# Allegro board A733_PRO3_AXP318_LPDDR5_FBGA315BALL_32X1_V2_0.brd (continued)
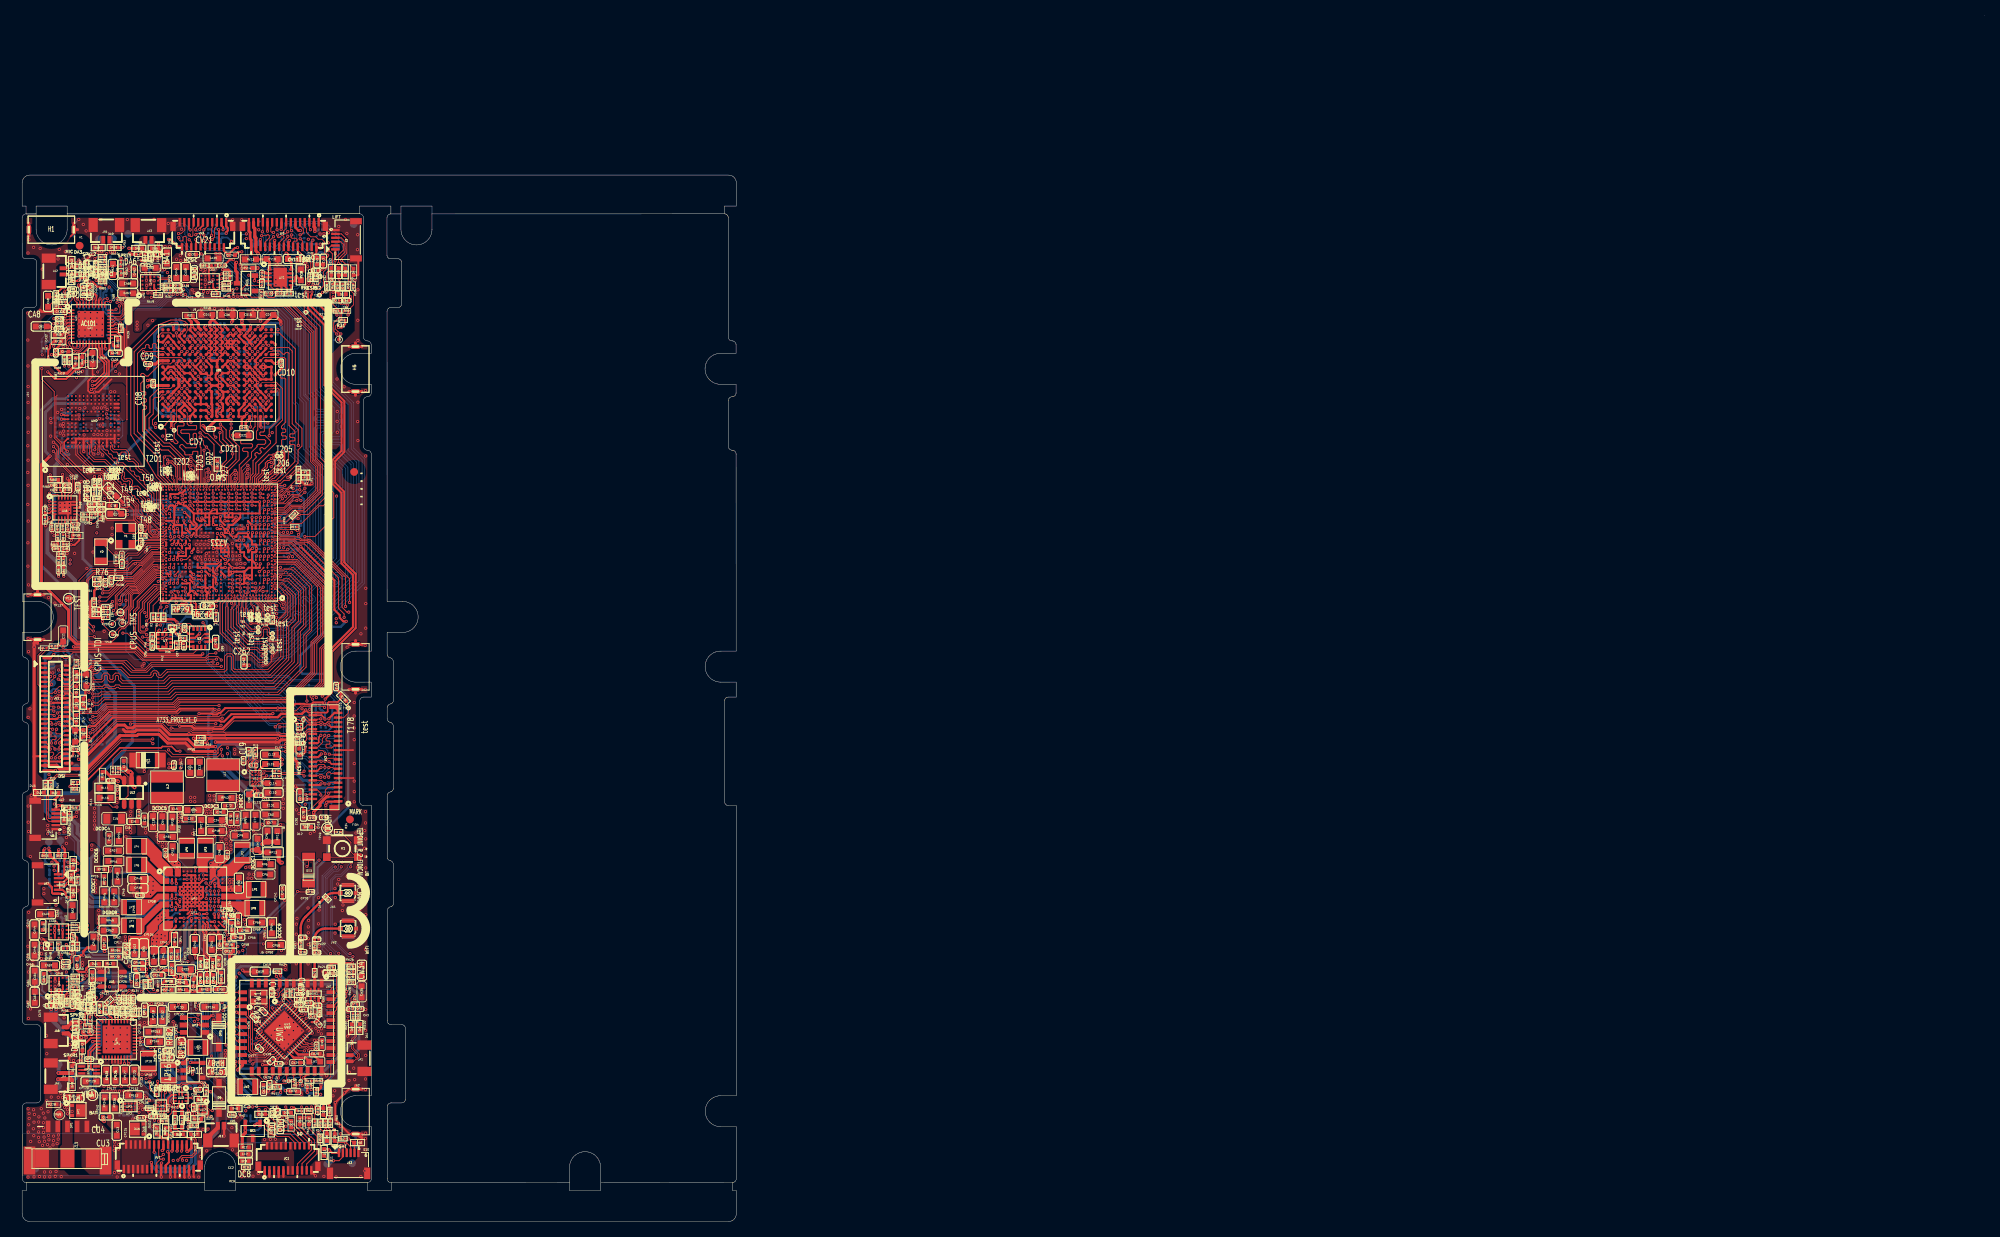
[diagram p0: board, top side]
## Copper pours and planes (outline as drawn; the poured copper is in the pictures) (continued)
GND on BOTTOM: 33.71,107.89 33.88,107.89 33.98,107.78 33.98,105.5 34.7,104.77 34.7,98.94 37.59,96.06 37.59,95.11 37.42,94.94 37.21,94.94 37.05,95.1 37.05,95.67 36.91,95.81 33.65,95.81 33.38,96.07 31.78,96.07 31.43,95.72 31.43,94.78 31.26,94.61 31.26,93.86 31.29,93.84 31.29,93.06 30.83,92.61 28.62,92.61 28.47,92.76 28.47,93.1 29.05,93.69 29.05,99.16 30.2,99.16 33.71,102.66
GND on BOTTOM: 9.1,61.75 10.52,61.75 10.52,61.36 8.42,59.27 6.47,59.27 6.38,59.36 6.38,60.32 6.71,60.65 8.34,60.65 8.76,61.08 8.76,61.41
GND on BOTTOM: 0.55,5.51 0.54,14.79 1.89,14.79 2.6,15.09 2.89,15.8 2.89,24.9 2.6,25.61 1.88,25.91 0.54,25.91 0.54,40.03 0.53,40.05 0.54,40.08 0.56,40.11 1.1,40.41 1.34,40.98 1.33,45.99 1.13,46.67 0.53,47.06 0.53,54.92 1.11,55.28 1.33,55.91 1.33,63.91 1.1,64.55 0.53,64.9 0.53,66.25 0.54,66.27 0.55,66.28 1.09,66.58 1.33,67.15 1.33,72.16 1.12,72.84 0.53,73.23 0.53,75.49 2.02,75.49 4.53,78 2.02,80.51 0.52,80.51 0.51,117.4 0.52,117.42 1.5,117.42 2.11,117.7 2.38,118.31 2.38,123.83 2.1,124.44 1.49,124.72 0.51,124.72 0.51,129.49 1.29,129.49 1.29,128 3.8,125.49 6.31,128 6.31,129.51 43.49,129.51 43.49,127.26 43.49,125.73 43.5,114.11 43.79,113.4 44.5,113.11 44.5,112.52 43.01,112.52 40.5,110.01 43.01,107.51 44.5,107.51 44.5,106.92 43.79,106.62 43.5,105.91 43.5,100.01 43.79,99.3 44.5,99.01 44.51,74.1 43.02,74.1 40.51,71.59 43.02,69.09 44.51,69.09 44.51,68.17 44.02,68.17 43.31,67.88 43.01,67.16 43.02,54.16 43.31,53.45 44.02,53.16 44.52,53.16 44.52,49.27 44.52,48.81 44.52,46.87 44.52,46.69 44.52,46.13 44.52,36.77 44.52,35.06 44.52,32.53 44.52,30.5 44.53,16.74 43,16.74 40.52,14.22 43.02,11.72 44.53,11.72 44.53,5.59 44.43,5.54 28.05,5.56 28.05,7.07 25.81,9.5 23.1,7.61 23.03,7.19 23.03,5.51 ; 4 cut-outs
GND on L2GND: 0.55,5.51 0.54,14.79 1.89,14.79 2.6,15.09 2.89,15.8 2.89,24.9 2.6,25.61 1.88,25.91 0.54,25.91 0.54,40.03 0.53,40.05 0.54,40.08 0.56,40.11 1.1,40.41 1.34,40.98 1.33,45.99 1.13,46.67 0.53,47.06 0.53,54.92 1.11,55.28 1.33,55.91 1.33,63.91 1.1,64.55 0.53,64.9 0.53,66.25 0.54,66.27 0.55,66.28 1.09,66.58 1.33,67.15 1.33,72.16 1.12,72.84 0.53,73.23 0.53,75.49 2.02,75.49 4.53,78 2.02,80.51 0.52,80.51 0.51,117.4 0.52,117.42 1.5,117.42 2.11,117.7 2.38,118.31 2.38,123.83 2.1,124.44 1.49,124.72 0.51,124.72 0.51,129.49 1.29,129.49 1.29,128 3.8,125.49 6.31,128 6.31,129.51 43.49,129.51 43.5,114.11 43.79,113.4 44.5,113.11 44.5,112.52 43.01,112.52 40.5,110.01 43.01,107.51 44.5,107.51 44.5,106.92 43.79,106.62 43.5,105.91 43.5,100.01 43.79,99.3 44.5,99.01 44.51,74.1 43.02,74.1 40.51,71.59 43.02,69.09 44.51,69.09 44.51,68.17 44.02,68.17 43.31,67.88 43.01,67.16 43.02,54.16 43.31,53.45 44.02,53.16 44.52,53.16 44.52,46.04 44.52,40.03 44.53,16.74 43,16.74 40.52,14.22 43.02,11.72 44.53,11.72 44.53,5.73 44.34,5.54 28.05,5.56 28.05,7.07 25.65,9.52 23.05,7.3 23.03,7.28 23.03,7.01 23.03,5.51 ; 8 cut-outs
GND on L3: 19.74,28.65 22.78,28.65 23.07,28.36 23.07,27.14 22.84,26.9 21.34,26.9 20.9,26.46 19.8,26.46 19.42,26.84 19.42,28.32
GND on L3: 29.6,29.72 31.41,29.72 31.77,29.37 31.77,26.87 31.06,26.16 28.57,26.16 28.23,26.5 28.23,28.35
GND on L3: 15.65,122.81 17.4,122.81 18.7,121.5 18.7,119.12 19.82,118.01 25.87,118.01 26,117.87 26,117.56 25.79,117.34 23.39,117.34 22.37,116.32 22.37,114.26 21.57,113.46 15.21,113.46 13.87,114.8 13.87,116.84 14.53,117.51 14.53,120.81 15.4,121.68 15.4,122.56
GND on L3: 20.02,53.04 20.67,53.04 21.69,52.02 24,52.02 24.47,51.55 24.47,47 24.14,46.67 20.9,46.67 19.92,47.65 19.92,52.93
GND on L3: 25.71,51.54 31.1,51.54 31.29,51.35 31.29,50.6 28.6,47.9 28.6,45.53 28.84,45.29 29.98,45.29 30.16,45.11 30.16,44.3 27.68,41.82 27.16,41.82 26.91,42.07 23.63,42.07 23.39,41.83 23.39,41.35 23.67,41.07 23.67,39.12 23.17,38.62 16.02,38.62 15.25,39.39 15.25,40.01 13.96,41.3 13.96,44.07 14.66,44.77 18.98,44.77 19.92,43.83 22.98,43.83 23.15,43.99 23.15,44.22 23.3,44.37 25.4,44.37 26.51,45.49 26.51,47.47 25.51,48.47 25.51,51.33 ; 2 cut-outs
GND on L3: 0.55,5.51 0.54,14.79 1.89,14.79 2.6,15.09 2.89,15.8 2.89,24.9 2.6,25.61 1.88,25.91 0.54,25.91 0.54,40.03 0.53,40.05 0.54,40.08 0.56,40.11 1.1,40.41 1.34,40.98 1.33,45.99 1.13,46.67 0.53,47.06 0.53,54.92 1.11,55.28 1.33,55.91 1.33,63.91 1.1,64.55 0.53,64.9 0.53,66.25 0.54,66.27 0.55,66.28 1.09,66.58 1.33,67.15 1.33,72.16 1.12,72.84 0.53,73.23 0.53,75.49 2.02,75.49 4.53,78 2.02,80.51 0.52,80.51 0.51,117.4 0.52,117.42 1.5,117.42 2.11,117.7 2.38,118.31 2.38,123.83 2.1,124.44 1.49,124.72 0.51,124.72 0.51,129.49 1.29,129.49 1.29,128 1.45,127.14 1.88,126.38 4.66,125.65 6.31,128 6.31,129.51 43.49,129.51 43.49,124.74 43.5,114.11 43.79,113.4 44.5,113.11 44.5,112.52 43.01,112.52 40.5,110.01 43.01,107.51 44.5,107.51 44.5,106.92 43.79,106.62 43.5,105.91 43.5,100.01 43.79,99.3 44.5,99.01 44.51,77.91 44.51,74.1 43.02,74.1 40.51,71.59 43.02,69.09 44.51,69.09 44.51,68.17 44.02,68.17 43.31,67.88 43.01,67.16 43.02,54.16 43.31,53.45 44.02,53.16 44.52,53.16 44.52,42.19 44.52,34.73 44.52,30.25 44.52,29.45 44.52,28.73 44.53,23.42 44.53,17.87 44.53,16.74 43,16.74 40.52,14.22 43.02,11.72 44.53,11.72 44.53,5.59 44.43,5.54 28.05,5.56 28.05,7.07 25.81,9.5 23.1,7.61 23.03,7.19 23.03,5.51 ; 8 cut-outs
GND on L3: 15.92,51.05 18.97,51.05 19.31,50.71 19.31,47.55 22.6,44.26 22.6,43.97 22.93,43.64 22.93,43.1 22.59,42.76 21.26,42.76 21.01,43 21.01,43.31 21.56,43.85 21.56,44.22 21.37,44.41 19.91,44.41 16.71,47.61 16.71,49.49 16.28,49.92 15.8,49.92 15.71,50.01 15.71,50.84
GND on L3: 26.32,24.73 27.57,24.73 27.77,24.53 27.77,22.37 25.98,20.57 25.98,19.59 26.29,19.28 29.29,19.28 31.06,17.51 31.06,15.15 29.84,13.93 23.13,13.93 21.87,15.19 21.87,17.6 24.77,20.49 24.77,23.18
GND on L4: 6.49,118.47 10.22,118.47 10.74,117.95 10.74,114.26 10.04,113.56 7.03,113.56 6.33,114.26 6.33,118.31
GND on L4: 29.78,115.87 29.51,116.13 27.82,116.13 27.46,116.49 27.46,117.33 28.23,118.1 34.41,118.1 37.05,115.46 37.05,97.5 35.38,95.83 34.02,95.83 33.98,95.87 33.98,96.08 34.13,96.23 35.08,96.23 36.68,97.83 36.68,112.69 33.5,115.87
GND on L4: 5.14,105.42 5.6,105.42 5.71,105.31 5.71,100.02 5.52,99.83 4.9,99.83 4.41,100.33 3.67,100.33 3.45,100.54 3.45,103.74
GND on L4: 17.86,92.29 16.26,93.9 15.75,93.9 15.69,93.84 15.52,93.84 11.73,97.63 11.73,110.41 11.75,110.43 11.75,112.4 12.5,113.15 12.5,114.59 14.9,116.99 21.07,116.99 22.15,115.91 22.15,115.58 22.7,115.03 22.7,112.87 22.98,112.59 22.98,112.12 22.83,111.97 22.56,111.97 22.45,112.08 22.45,112.34 22.45,112.35 22.45,112.42 21.79,113.08 21.79,114.13 21.58,114.34 20.54,114.34 20.36,114.53 20.36,114.88 20.13,115.11 16.48,115.11 12.6,111.23 12.6,107.13 12.59,107.11 12.59,98.97 18.6,92.95 19.98,92.95 20.13,92.81 20.13,92.46 19.96,92.29 ; 1 cut-out
GND on L4: 18.52,18.2 17.31,19.41 13.52,19.41 13.5,19.38 9.89,19.38 8.01,21.26 8.01,25.39 7.13,26.26 7.13,26.27 6.24,27.16 6.24,31.82 5.83,32.24 5.83,34.93 5.51,35.24 5.51,36.32 6.28,37.1 6.28,42.16 6.12,42.33 5.77,42.33 4.93,43.17 4.93,43.47 3.39,45.02 3.39,46.52 4.63,47.76 4.63,48.51 5.33,49.21 5.33,49.77 5.81,50.25 5.81,52.08 7.1,53.37 7.1,58.62 9.62,61.14 9.62,71.84 6.52,74.94 6.52,85.51 6.26,85.77 5.81,85.77 4.85,86.74 4.85,100 4.45,100.39 4.45,100.94 4.96,101.45 4.96,105.24 9.13,109.41 9.6,109.41 9.8,109.21 9.8,106.87 8.27,105.34 8.28,105.33 8.28,98 9.81,96.46 9.81,89.78 9.19,89.15 9.19,82.27 9.41,82.49 10.57,82.49 10.76,82.67 10.76,83.18 11.11,83.53 12.15,83.53 13.2,84.58 13.2,85.07 13.72,85.59 14.77,85.59 14.91,85.72 14.96,85.72 16.16,86.93 17.47,86.93 17.7,86.7 17.7,85.91 13.33,81.55 12.44,81.55 11.07,80.17 11.07,77.98 11.35,77.7 11.35,76.08 12.93,74.51 12.93,58.95 10.92,56.95 10.92,49.67 10.12,48.87 10.12,46.42 10.05,46.35 10.05,38.09 10.56,37.57 10.56,36.67 10.11,36.22 10.11,33.42 10.69,32.85 10.69,30.83 10.17,30.31 10.17,29.07 10.31,28.92 10.31,28.55 11.52,27.35 12.08,27.35 12.37,27.64 12.37,28.43 12.52,28.59 20.88,28.59 21.16,28.87 21.21,28.83 21.31,28.83 21.2,28.94 21.2,30.01 21.93,30.74 22.51,30.74 23.93,32.15 24.43,32.15 24.43,35.1 24.75,35.42 24.75,35.67 25.12,36.04 26.57,36.04 27.09,36.56 27.09,40.77 25.9,41.96 23.58,41.96 23.43,41.81 23.43,41.57 23.85,41.15 23.85,40.58 23.72,40.45 21.23,40.45 20.07,41.6 20.07,44.16 22.91,46.99 22.91,52.02 23.41,52.53 27.85,52.53 28.19,52.18 28.19,47.98 25.83,45.62 25.83,42.91 29.23,39.51 29.23,34.66 25.76,31.19 25.76,30.64 26.04,30.36 26.04,28.64 26.08,28.61 26.08,26.39 25.75,26.06 25.75,24.58 27.03,23.29 27.03,23.29 27.15,23.18 27.15,22.16 27.14,22.15 27.14,21 25.16,19.03 25.16,18.44 24.92,18.2 ; 6 cut-outs
GND on L4: 17.34,122.35 18.19,122.35 18.47,122.07 18.47,121.1 18.62,120.95 19.08,120.95 20,121.87 21.7,121.87 22.91,123.08 24.59,123.08 24.91,122.76 24.91,121.96 25.16,121.7 25.16,120.37 24.71,119.92 19.45,119.92 19.03,119.49 17.52,119.49 16.89,120.12 15.08,120.12 14.88,120.32 14.88,122.97 14.97,123.06 16.63,123.06
GND on L4: 0.55,5.51 0.54,14.79 1.89,14.79 2.6,15.09 2.89,15.8 2.89,24.9 2.6,25.61 1.88,25.91 0.54,25.91 0.54,40.03 0.53,40.05 0.54,40.08 0.56,40.11 1.1,40.41 1.34,40.98 1.33,45.99 1.13,46.67 0.53,47.06 0.53,54.92 1.11,55.28 1.33,55.91 1.33,63.91 1.1,64.55 0.53,64.9 0.53,66.25 0.54,66.27 0.55,66.28 1.09,66.58 1.33,67.15 1.33,72.16 1.12,72.84 0.53,73.23 0.53,75.49 2.02,75.49 4.53,78 2.02,80.51 0.52,80.51 0.51,117.4 0.52,117.42 1.5,117.42 2.11,117.7 2.38,118.31 2.38,123.83 2.1,124.44 1.49,124.72 0.51,124.72 0.51,129.49 1.29,129.49 1.29,128 3.8,125.49 6.31,128 6.31,129.51 43.49,129.51 43.5,114.11 43.79,113.4 44.5,113.11 44.5,112.52 43.01,112.52 40.5,110.01 43.01,107.51 44.5,107.51 44.5,106.92 43.79,106.62 43.5,105.91 43.5,100.01 43.79,99.3 44.5,99.01 44.51,74.1 43.02,74.1 40.51,71.59 43.02,69.09 44.51,69.09 44.51,68.17 44.02,68.17 43.31,67.88 43.01,67.16 43.02,54.16 43.31,53.45 44.02,53.16 44.52,53.16 44.53,17.5 44.53,16.74 43,16.74 40.52,14.22 43.02,11.72 44.53,11.72 44.53,5.59 44.43,5.54 28.05,5.56 28.05,7.07 25.81,9.5 23.1,7.61 23.03,7.19 23.03,5.51 ; 1 cut-out
GND on L4: 35.29,30.3 37.27,30.3 39.01,28.56 39.01,28.23 38.52,27.74 38.52,25.26 38.82,24.96 38.82,22.56 36.46,20.19 35.49,20.19 31.86,23.83 31.86,24.27 35.16,27.57 35.16,30.18
GND on L5GND: 0.55,5.51 0.55,14.79 1.89,14.79 2.6,15.09 2.89,15.8 2.89,24.9 2.6,25.61 1.88,25.91 0.54,25.91 0.54,40.03 0.54,40.05 0.54,40.08 0.56,40.11 1.1,40.41 1.34,40.98 1.34,45.99 1.13,46.67 0.54,47.06 0.53,54.92 1.11,55.28 1.33,55.91 1.33,63.91 1.1,64.55 0.53,64.9 0.53,66.25 0.54,66.27 0.55,66.28 1.09,66.58 1.33,67.15 1.33,72.16 1.12,72.84 0.53,73.23 0.53,75.49 2.02,75.49 4.53,78 2.02,80.51 0.52,80.51 0.51,117.4 0.52,117.42 1.5,117.42 2.11,117.7 2.38,118.31 2.38,123.83 2.1,124.44 1.49,124.72 0.51,124.72 0.51,129.49 1.29,129.49 1.29,128 3.8,125.49 6.31,128 6.31,129.5 43.49,129.5 43.49,128 43.5,114.11 43.79,113.4 44.5,113.11 44.5,112.52 43.01,112.52 40.5,110.01 43.01,107.5 44.5,107.5 44.5,106.92 43.79,106.62 43.5,105.91 43.5,100.01 43.79,99.3 44.5,99.01 44.51,74.1 43.02,74.1 40.51,71.59 43.02,69.08 44.51,69.08 44.51,68.17 44.02,68.17 43.31,67.88 43.01,67.16 43.01,63.91 43.01,54.16 43.31,53.45 44.02,53.16 44.52,53.16 44.52,22.47 44.52,22.36 44.53,16.74 43,16.74 40.52,14.22 43.02,11.72 44.53,11.72 44.53,5.59 44.43,5.54 28.05,5.56 28.05,7.07 25.81,9.5 23.1,7.61 23.03,7.19 23.03,5.51 ; 1 cut-out
VBAT on TOP: 7.64,7.1 8.67,6.07 11.52,6.07 11.58,6.13 11.58,11.32 9.8,13.1 9.82,13.13 9.82,16.53 8.77,17.59 8.77,17.59 8.67,17.69 8.67,19.13 8.51,19.29 7.72,19.29 7.17,19.29 7.12,19.34 7.12,19.73 7.21,19.82 7.65,19.82 7.71,19.88 8.23,19.88 8.23,20.41 7.08,20.41 6.75,20.08 6.75,18.87 7.04,18.58 7.04,16.85 6.91,16.71 6.91,13.25 6.71,13.05 6.71,10.33 7.64,9.4
VBUS-AXP318 on TOP (solid shape): 19.33,38.8 19.45,38.68 19.45,38.02 19.45,38 19.44,37.98 18.83,37.38 18.82,37.36 18.82,37.34 18.82,36.37 18.81,36.35 18.8,36.33 17.97,35.5 17.93,35.48 17.75,35.48 17.73,35.48 17.71,35.47 17.55,35.31 17.54,35.29 17.53,35.27 17.53,34.69 17.53,34.67 17.52,34.65 17.31,34.45 17.3,34.44 17.28,34.43 16.67,34.43 16.57,34.54 16.57,35.41 16.58,35.44 16.58,36.57 16.59,36.59 16.6,36.6 17.61,37.61 17.62,37.63 17.62,37.65 17.62,38.12 17.63,38.14 17.64,38.15 18.27,38.78 18.29,38.8 18.31,38.8
VBUS-AXP318 on TOP: 17.28,20.12 17.36,20.03 17.36,18.9 16.82,18.36 16.44,18.36 16.07,18.73 14.82,18.73 14.62,18.93 12.28,18.93 12.27,18.92 11.73,18.92 11.71,18.94 11.71,20.06 11.44,20.33 11.44,20.74 11.48,20.79 12.85,20.79 12.85,20.21 12.94,20.12
VBUS-AXP318 on L5GND: 17.02,16.11 15.55,17.59 14.62,17.59 12.38,19.82 12.38,26.39 12.96,26.96 14.32,26.96 14.99,27.64 14.99,30.14 14.55,30.59 14.55,31.16 14.34,31.37 14.34,34.02 14.85,34.53 14.85,37.22 15.04,37.4 20.35,37.4 22.99,34.76 22.99,30.13 21.34,28.47 21.34,27.36 19.95,25.97 19.95,22.97 20.69,22.23 21.38,22.23 22.81,20.8 22.81,20.78 23.52,20.06 23.52,18.57 21.07,16.11
VBUS-AXP515 on TOP: 16.43,26.28 17.79,26.28 17.92,26.41 18.32,26.41 18.61,26.7 18.61,27.81 18.94,28.14 19.74,28.14 19.82,28.07 19.82,26.57 18.31,25.06 15.82,25.06 15.55,24.8 14.54,24.8 14.51,24.83 14.51,24.97 14.55,25.01 15.17,25.01 15.18,25.02 15.18,25.16 15.15,25.2 14.54,25.2 14.5,25.23 14.5,25.83 14.69,26.02 15.05,26.02 15.43,26.4 15.43,27.16 15.47,27.2 16.16,27.2 16.3,27.05 16.3,26.4
VBUS-AXP515 on TOP: 14.27,15.14 14.21,15.08 13.93,15.08 13.86,15.01 13.86,14.72 13.83,14.68 13.61,14.68 13.57,14.72 13.57,15.29 13.23,15.63 10.26,15.63 10.19,15.7 10.19,16.84 10.41,17.06 14.09,17.06 14.27,16.87
VBUS-AXP515 on BOTTOM: 13.95,16.53 9.89,16.53 9.66,16.76 9.66,21.47 9.67,21.48 9.67,21.89 10.38,22.6 10.38,25.25 11.93,26.8 16.41,26.8 16.91,26.29 16.91,24.54 16.51,24.14 15.24,24.14 15.05,23.95 15.05,21.48 15.49,21.04 15.49,20.01 14.7,19.22 14.7,18.74 14.96,18.48 14.96,17.23 14.61,16.88 14.29,16.88 ; 1 cut-out
VBUS-USB on TOP: 16.3,6.19 12.98,6.19 12.81,6.36 12.81,11.56 12.49,11.87 11.56,11.87 10.91,12.52 10.91,13.69 10.76,13.84 10.05,13.84 9.98,13.91 9.98,14.91 10.22,15.15 12.19,15.15 12.44,14.89 12.44,14.29 12.75,13.98 13.31,13.98 13.59,14.25 13.59,14.49 13.64,14.54 13.92,14.54 13.98,14.61 13.98,14.88 14.04,14.95 14.22,14.95 14.28,14.88 14.28,14.02 14.47,13.83 15.07,13.83 15.16,13.74 15.16,11.1 15.37,10.89 16.22,10.89 16.63,10.48 16.63,7.83 16.3,7.5
VCC09-VDD2L on TOP: 26.33,117.98 27.35,117.98 27.65,117.67 27.65,116.61 27.52,116.49 26.57,116.49 26.26,116.8 26.26,117.91
VCC09-VDD2L on BOTTOM: 27.62,118.42 27.62,117.68 27.4,117.45 27.38,117.45 27.25,117.32 26.08,117.32 25.95,117.45 19.12,117.45 16.82,115.16 16.82,104.83 18.8,102.85 18.8,102.36 18.94,102.22 19.58,102.22 20.12,102.76 22.46,102.76 23.26,103.57 23.26,104.47 23.42,104.63 24.15,104.63 24.52,104.25 24.52,102.56 23.97,102 20.86,102 20.07,101.21 18.68,101.21 18.28,101.61 16.86,101.61 15.39,103.07 15.39,110.19 14.88,110.7 14.88,112.4 15.39,112.9 15.39,116.98 17.39,118.98 27.07,118.98
VCC09-VDD2L on L3: 27.35,116.06 27.34,116.06 26.87,116.53 23.29,116.53 22.53,115.77 22.53,114.87 22.52,114.85 22.52,114.37 22.67,114.22 27.74,114.22 27.81,114.28 27.81,114.8 27.36,115.25 27.36,115.73 27.44,115.81 27.44,115.97
VCC-5V on TOP: 11.55,33.54 12.46,33.54 12.95,33.05 12.95,32.94 13.56,32.33 13.56,32 13.41,31.85 13.41,31.67 12.45,30.72 12.36,30.72 12.2,30.56 12.2,29.72 10.45,27.96 10.45,27.72 10.31,27.58 9.8,27.58 9.74,27.65 9.74,28.14 10.94,29.35 11.1,29.35 11.49,29.74 11.49,33.48
VCC-5V on TOP: 24.48,28.11 25.42,28.11 25.62,27.91 25.62,27.06 25.73,26.95 25.73,25.58 25.57,25.42 24.59,25.42 24.41,25.6 24.41,28.05
VCC-5V on TOP: 18.09,24.94 17.09,24.94 16.85,24.7 16.85,23.66 16.99,23.52 16.99,23.52 17.22,23.52 17.61,23.92 18.09,23.92 18.19,24.03 18.19,24.84
VCC-5V on L3: 11.98,31.24 12.12,31.1 12.12,30.29 11.2,29.37 11.2,27.32 11.36,27.17 15.04,27.17 15.57,27.7 18.34,27.7 19.71,26.33 21.51,26.33 21.82,26.02 21.82,25.73 22.05,25.49 22.28,25.49 23.36,26.58 25.09,26.58 25.25,26.41 25.25,25.11 25.25,25.1 25.25,24.43 23.4,22.59 18.96,22.59 18.04,23.51 17.09,23.51 15.92,24.67 15.25,24.67 14.07,25.85 10.58,25.85 8.82,27.61 8.82,29.6 10.46,31.24
VCC-5V-USB on TOP: 9.66,33.54 11.15,33.54 11.2,33.49 11.2,32.36 10.77,31.93 8.78,31.93 8.75,31.97 8.75,32.44 8.81,32.5 9.15,32.5 9.62,32.97 9.62,33.5
VCC-5V-USB on TOP: 3.86,51.28 5.3,51.28 5.8,50.79 5.8,50.04 5.67,49.91 5.15,49.91 5.07,49.99 5.07,50.7 4.78,50.99 3.83,50.99 3.79,51.03 3.79,51.22
VCC-5V-USB on BOTTOM: 4.77,34.6 5.39,34.6 5.93,34.06 8.8,34.06 9.89,32.97 10.37,32.97 10.45,32.88 10.45,32.55 10.3,32.39 8.2,32.39 7.97,32.16 6.62,32.16 5.19,33.59 4.72,33.59 4.63,33.68 4.63,34.46
VCC-5V-USB on L3: 4.24,51.14 5.46,51.14 6.36,50.24 6.36,46.94 6.45,46.85 6.45,39.27 6.36,39.18 6.36,36.74 5.43,35.81 5.43,33.77 5.34,33.68 4.73,33.68 4.63,33.78 4.63,36.6 4.92,36.89 4.92,37.9 5.14,38.11 5.14,41.03 4.99,41.19 4.99,46.57 4.07,47.49 4.07,48.16 3.69,48.54 3.69,50.6
VCC-CARD-3V3 on TOP: 34.4,10.22 34.4,9.17 34.21,8.98 30.45,8.98 30.14,9.28 30.14,11.07 29.9,11.31 29.4,11.31 28.95,10.87 28.95,6.78 29.05,6.68 29.73,6.68 29.85,6.81 29.85,7.81 29.95,7.91 33.64,7.91 34.11,7.44 34.11,6.09 34.19,6.01 35.03,6.01 35.06,6.04 35.06,9.02 34.9,9.18 34.9,10.1 34.73,10.27 34.45,10.27
VCC-IO on BOTTOM: 23.45,83.6 24.25,83.6 24.51,83.35 24.77,83.35 24.81,83.31 24.81,82.47 24.75,82.41 23.9,82.41 23.76,82.55 23.76,82.8 23.4,83.16 23.4,83.55
VCC-IO on L4: 23.98,83.6 24.63,83.6 24.79,83.45 24.79,80.71 24.38,80.31 24.38,76.19 23.68,75.49 23.68,74.51 23.66,74.49 23.66,74.24 23.05,73.62 23.05,62.15 23.26,61.94 24,61.94 24.12,61.81 24.12,60.97 24.01,60.86 23.25,60.86 23.24,60.87 22.58,60.87 22.37,61.07 22.37,73.93 23.18,74.74 23.18,75.84 23.78,76.44 23.78,80.49 24.32,81.02 24.32,82.24 23.88,82.68 23.88,83.5
VCC-UFS on TOP: 6.36,104.18 6.86,104.18 7,104.32 7.46,104.32 7.58,104.2 7.58,103.43 7.47,103.32 6.37,103.32 6.28,103.41 6.28,104.1
VCC-UFS on TOP: 7.74,103.34 10.54,103.34 10.61,103.4 10.61,103.67 10.46,103.81 7.76,103.81 7.67,103.72 7.67,103.4
VCC-UFS on TOP: 11.77,104.11 12.29,104.11 12.69,104.5 12.69,105.7 12.48,105.9 12.48,106.74 11.15,106.74 11.01,106.88 11.01,107.54 11.6,108.13 12.18,108.13 12.18,108.13 12.9,108.13 13.3,107.73 13.3,107.72 13.33,107.69 13.33,106.71 13.35,106.69 13.35,103.51 13.12,103.28 11.81,103.28 11.69,103.4 11.69,104.03
VCC-UFS on BOTTOM: 9.32,104.14 10,104.14 10.23,103.91 10.23,103.48 10.09,103.34 7.23,103.34 7.03,103.55 7.03,104.13 7.23,104.33 8.13,104.33 8.41,104.61 8.41,105.22 8.4,105.23 8.4,106.13 8.96,106.68 9.55,106.68 9.84,106.97 9.84,107.89 10.15,108.2 11.85,108.2 12.31,107.74 12.31,106.83 11.98,106.5 10.54,106.5 9.9,105.87 9.37,105.87 9.37,105.78 9,105.41 8.94,105.35 8.94,104.78 9.32,104.4
VCC-VDDQ on TOP: 14.45,114.9 14.45,117.44 14.9,117.89 21.22,117.89 21.57,117.54 21.57,116.63 21.48,116.54 20.88,116.54 20.8,116.62 16.29,116.62 15.46,115.79 15.46,115.1 15.15,114.79 14.56,114.79
VCC-VDDQ on TOP: 8.87,48.82 9.27,48.82 10.08,48 10.08,45.07 10.29,44.86 10.93,44.86 11.01,44.78 11.01,44.36 10.92,44.27 9.3,44.27 8.76,44.81 8.76,48.71
VCC-VDDQ on BOTTOM: 29.56,117.29 31.08,115.76 32.46,115.76 32.79,115.43 32.79,104.23 32.4,103.84 29.01,103.84 28.69,104.16 28.69,106.69 29.16,107.16 30.02,107.16 30.36,107.5 31.13,107.5 31.48,107.85 31.48,111.11 30.9,111.69 28.68,111.69 28.44,111.94 28.44,113.42 27.9,113.96 27.9,114.62 27.28,115.24 27.28,116.26 27.16,116.38 23.15,116.38 23.15,116.37 22.85,116.07 22.85,115.19 22.32,114.67 22.32,111.77 22.15,111.6 21.26,111.6 21.01,111.85 19.72,111.85 18.83,110.95 18.83,108.55 20.18,107.2 21.36,107.2 21.65,106.91 21.65,105.34 21.98,105.01 21.98,103.03 21.89,102.94 21.32,102.94 21.15,103.11 21.15,103.7 20.03,104.82 18.74,104.82 18.66,104.9 18.66,105.31 18.58,105.39 17.85,105.39 17.33,105.91 17.33,113.73 17.46,113.86 17.8,113.86 17.94,113.99 17.94,115.87 19.35,117.29
VCC-VDDQ on BOTTOM: 14.15,63.42 13.92,63.18 13.92,62.02 13.04,61.14 13.04,60.74 9.67,57.37 9.67,47.77 9.56,47.67 8.6,47.67 8.44,47.83 8.44,49.01 7.53,49.92 7.53,58.32 8.3,59.09 9.35,59.09 11.39,61.12 11.39,61.61 12.31,62.54 12.31,68.32 11.1,69.53 11.1,70.9 7.13,74.88 7.13,82.86 4.58,85.41 4.58,89.09 5.84,90.35 5.84,90.71 6.4,91.27 6.4,96.18 6.94,96.72 7.97,96.72 9.65,98.4 11.18,98.4 13.74,100.96 13.74,109.27 13.12,109.89 13.12,114.94 13.61,115.43 13.61,116.61 13.85,116.84 14.86,116.84 15.07,116.63 15.07,113.19 15.07,113.19 15.07,112.88 14.79,112.6 14.79,110.62 15.27,110.13 15.27,101.16 7.67,93.55 7.67,85.12 8.32,84.47 8.32,75.03 10.67,72.69 10.67,72.62 14.15,69.13 ; 1 cut-out
VDD-DRAM on TOP: 23.92,55.26 25.97,55.26 26.08,55.14 26.08,54.29 25.95,54.16 25.64,54.16 25.41,53.94 23.88,53.94 23.73,54.09 23.73,55.07
VDD-DRAM on TOP: 10.87,38.33 10.75,38.21 9.63,38.21 9.44,38.41 9.44,40.17 9.7,40.44 9.98,40.44 10.87,39.55
VDD-DRAM on TOP: 28.42,89.06 27.48,89.06 27.37,89.18 27.37,89.38 27.97,89.99 28.49,89.99 28.8,89.67 28.8,89.2 28.71,89.11 28.47,89.11
VDD-DRAM on L3: 28.82,89.09 27.41,89.09 26.81,89.68 26.35,89.68 25.72,89.05 25.05,89.05 24.93,88.92 18.71,88.92 18.46,88.67 16.85,88.67 12.92,84.75 12.92,83.7 13.26,83.37 13.26,79.64 13.57,79.33 13.57,65.54 13.01,64.98 13.01,58.95 12.91,58.85 12.91,53.61 12.93,53.59 12.93,49.65 13.84,48.73 13.84,40.13 11.91,38.2 9.79,38.2 9.63,38.37 9.63,40.24 10.85,41.47 10.85,47.95 9.53,49.27 9.53,59.9 10.35,60.72 10.35,76.49 10.69,76.83 10.69,77.55 10.33,77.91 10.33,78.89 10.38,78.94 10.38,79.38 10.33,79.43 10.33,80.63 10.69,80.99 10.69,83.45 9.74,84.41 9.74,88.15 10.62,89.04 10.62,89.9 12.9,92.18 14.84,92.18 14.89,92.13 19.61,92.13 19.76,91.97 21.03,91.97 21.43,91.57 27.82,91.57 29.01,90.38 29.01,89.28
VDD-DRAM on L5GND: 23,54.06 23,54.87 22.57,55.3 19.62,55.3 19.31,54.99 12.27,54.99 12.1,55.16 12.1,57.49 13.31,58.7 24.99,58.7 26.04,57.64 26.04,54.36 25.75,54.06
(no net) on TOP: 22.7,45.15 22.7,45.79 22.5,45.99 22.5,47.53 24.64,47.53 24.68,47.49 24.68,46.84 24.53,46.69 24.25,46.69 23.92,46.37 23.92,45.14 23.85,45.06 22.78,45.06
(no net) on TOP: 24.17,44.11 24.24,44.04 24.39,44.04 24.76,44.41 24.89,44.41 25.17,44.13 25.17,43.12 25.29,42.99 25.5,42.99 25.67,42.81 25.67,42.64 25.75,42.56 28.3,42.56 28.34,42.59 28.34,43.34 28.28,43.39 26.9,43.39 26.8,43.3 25.65,43.3 25.45,43.5 25.45,44.2 24.97,44.67 24.97,45.33 25.81,46.17 26.11,46.17 26.65,46.71 26.65,47.2 26.56,47.29 24.95,47.29 24.88,47.22 24.88,46.77 24.55,46.44 24.29,46.44 24.17,46.33
(no net) on TOP: 17.8,41.29 18.89,41.29 18.97,41.22 18.97,40.6 18.89,40.53 18.13,40.53 15.77,38.16 15.77,37.4 15.34,36.97 14.83,36.97 14.71,37.09 14.71,39.04 14.81,39.13 15.65,39.13
(no net) on TOP: 25.75,41.54 25.67,41.63 25.67,42.22 25.75,42.3 28.32,42.3 28.47,42.45 28.47,43.67 28.68,43.88 29.5,43.88 29.55,43.84 29.55,41.8 29.3,41.54
(no net) on TOP: 27.29,40.55 25.78,40.55 25.65,40.68 25.65,41.21 25.73,41.29 29.38,41.29 29.38,39.53 29.18,39.33 28.51,39.33
(no net) on TOP: 16.39,45.01 15.41,45.01 15.35,45.06 15.35,46.94 15.44,47.02 15.7,47.02 18.44,44.29 18.87,44.29 18.94,44.21 18.94,43.6 18.89,43.55 17.85,43.55
(no net) on TOP: 19.96,43.21 19.96,42.61 19.91,42.56 17.39,42.56 16.6,41.77 15.37,41.77 15.25,41.9 15.25,44.54 15.32,44.61 16.58,44.61 17.9,43.29 19.88,43.29
(no net) on TOP: 19.78,44.51 19.68,44.6 19.68,45.43 19.5,45.61 19.5,45.73 18.24,46.99 18.24,47.46 18.25,47.47 19.89,47.47 20.08,47.28 20.08,46.58 20.47,46.19 20.47,44.63 20.35,44.51
(no net) on TOP: 25.3,44.56 25.22,44.64 25.22,45.28 26.01,46.07 26.64,46.07 27.32,46.75 27.32,46.94 27.41,47.02 29.41,47.02 29.44,47 29.44,46.26 29.31,46.14 28.74,46.14 27.16,44.56
(no net) on TOP: 19.35,38.8 19.45,38.7 19.45,36.98 17.95,35.48 17.73,35.48 17.53,35.29 17.53,34.67 17.3,34.43 16.65,34.43 16.57,34.52 16.57,36.66 17.6,37.69 17.6,38.18 18.22,38.8
(no net) on TOP: 16.71,41.57 17.45,42.3 18.87,42.3 18.96,42.21 18.96,41.62 18.88,41.54 17.7,41.54 16.1,39.94 15.72,39.56 14.75,39.56 14.73,39.58 14.73,39.94 14.73,41.06 14.73,41.53 14.76,41.57
(no net) on TOP: 16.03,38.08 18.23,40.27 18.89,40.27 18.94,40.22 18.94,39.41 19.03,39.32 19.41,39.32 19.46,39.27 19.46,39.08 19.41,39.03 18.77,39.03 18.33,39.03 17.5,38.19 17.5,37.68 16.45,36.64 16.45,35.5 16.12,35.17 13.19,35.17 13.12,35.24 13.12,35.7 13.18,35.77 13.48,35.77 13.64,35.93 13.64,36.78 13.72,36.86 15.41,36.86 16.03,37.48
(no net) on TOP: 18.56,44.54 16.5,46.61 16.5,46.87 16.05,47.32 15.51,47.32 15.36,47.46 15.36,49.39 15.44,49.47 16.2,49.47 18.03,47.63 18.03,46.92 19.43,45.53 19.43,44.61 19.36,44.54
AFVCC-CSI on TOP: 20.67,38.34 20.89,38.34 20.96,38.27 20.96,38.11 20.59,37.74 20.59,34.89 20.32,34.62 19.84,34.62 19.75,34.71 19.75,35.12 19.84,35.21 19.99,35.21 20.16,35.39 20.16,37.83
BLDO1 on TOP: 39.39,54.38 41.3,54.38 41.33,54.34 41.33,54.11 41.27,54.05 39.75,54.05 39.39,53.69 39.39,51.97 39.33,51.9 39.09,51.9 38.93,52.06 38.93,53.92
BLDO1 on TOP: 38.11,129.49 38.37,129.49 38.4,129.46 38.4,127.86 38.58,127.68 39.07,127.68 39.14,127.62 39.14,127.15 39.09,127.1 38.36,127.1 38.08,127.38 38.08,129.46
BLDO1 on BOTTOM: 38.59,127.68 39.05,127.68 39.11,127.62 39.11,126.82 39.02,126.73 37.78,126.73 37.62,126.88 37.37,126.88 36.77,126.29 36.18,126.29 36.13,126.34 36.13,126.76 36.18,126.81 36.56,126.81 36.66,126.91 36.66,127.63 36.71,127.68 37.15,127.68 37.29,127.55 38.45,127.55
BLDO1 on BOTTOM: 39.89,56.16 40.32,56.16 40.38,56.09 40.38,54.02 39.78,53.43 38.61,53.43 38.52,53.52 38.52,54.17 38.58,54.23 39.01,54.23 39.24,54.46 39.65,54.46 39.86,54.67 39.86,56.13
BLDO1 on L4: 38.96,127.75 39.49,127.21 40.22,127.21 42.51,124.92 42.51,121.14 42.97,120.69 42.97,114.06 40.08,111.16 40.08,100.11 43.67,96.52 43.67,76.43 40.24,73 40.24,70.08 41.8,68.52 41.8,54.99 40.22,53.4 39.19,53.4 38.95,53.64 38.95,54.06 40.9,56.02 40.9,67.96 39.48,69.38 39.48,73.38 42.41,76.31 42.41,96.21 39.17,99.45 39.17,111.43 41.96,114.21 41.96,117.88 42.1,118.02 42.1,118.36 41.61,118.85 41.61,120.3 41.93,120.62 41.93,124.71 39.99,126.66 38.39,126.66 38.18,126.86 38.18,127.58 38.35,127.75
BLDO5 on TOP: 22.7,33.28 23.26,33.28 23.34,33.2 23.34,31.58 23.23,31.48 22.77,31.48 22.63,31.62 22.63,31.8 22.3,32.12 22.3,32.37 22.62,32.69 22.62,33.19
BLDO-INPUT on TOP: 21.64,38.33 21.93,38.33 21.98,38.27 21.98,37.56 21.78,37.36 21.78,34.37 22.03,34.12 22.03,33.86 22.23,33.66 22.23,32.97 22.15,32.89 22.15,31.99 21.73,31.57 21.46,31.57 21.33,31.69 21.33,32.95 21.65,33.27 21.65,33.69 21.32,34.02 21.32,37.41 21.58,37.67 21.58,38.27
BLDO-INPUT on TOP: 12.24,34.45 12.76,34.45 14.09,33.12 14.09,32.73 14.03,32.67 13.72,32.67 12.62,33.76 12.23,33.76 12.19,33.81 12.19,34.4
BLDO-INPUT on L3: 13.69,33.23 14.77,33.23 15.67,32.33 15.67,31.99 15.86,31.8 17.32,31.8 18.26,32.74 21.53,32.74 21.83,32.44 21.83,31.61 21.74,31.52 21.41,31.52 21.28,31.64 21.28,31.84 21.07,32.06 18.43,32.06 18.28,31.9 18.28,30.36 17.98,30.07 17.21,30.07 16.12,31.15 14.6,31.15 13.53,32.23 13.53,33.08
CLDO-INPUT on TOP: 12.94,36.94 13.45,36.94 13.54,36.85 13.54,36.06 13.41,35.92 13.11,35.92 12.96,35.78 12.96,35.24 13.16,35.04 13.59,35.04 13.68,34.96 13.68,34.34 13.59,34.26 13.16,34.26 12.72,34.69 12.23,34.69 12.13,34.79 12.13,36.13
CLDO-INPUT on TOP: 24.21,38.33 24.34,38.33 24.77,37.9 24.77,37.44 24.95,37.26 24.95,36.22 24.8,36.07 24.04,36.07 23.97,36.13 23.97,37.16 24.29,37.48 24.29,37.9 24.16,38.02 24.16,38.28
CLDO-INPUT on L3: 13.66,37.93 15.34,37.93 15.56,38.15 23.26,38.15 23.99,37.42 24.8,37.42 25.01,37.21 25.01,36.61 24.66,36.27 21.81,36.27 21.26,36.81 18.97,36.81 18.45,37.33 17.27,37.33 15.52,35.58 13.5,35.58 13.08,36.01 13.08,37.35
DCDC1 on TOP: 33.83,21.53 33.89,21.53 34.54,20.88 35.19,20.88 35.25,20.82 35.25,20.24 35.19,20.18 33.18,20.18 33.16,20.21 33.16,20.85
DCDC1 on TOP: 31.38,33.25 34.21,33.25 34.28,33.17 34.28,32.37 34.14,32.23 33.85,32.23 33.52,32.56 32.34,32.56 31.96,32.18 31.96,31.84 31.67,31.55 31.67,30.26 31.62,30.21 31.25,30.21 31.16,30.3 31.16,31.58 30.97,31.77 30.97,32.84
DCDC1 on TOP: 38.28,23.69 38.9,23.69 38.97,23.63 38.97,23.15 38.92,23.1 37.68,23.1 37.59,23.19 36.78,23.19 36.12,23.85 36.12,23.91 36.19,23.98 36.25,23.98 36.75,23.48 37.01,23.48 37.27,23.74 38.24,23.74
DCDC1 on TOP: 29.65,46.27 29.65,46.7 29.72,46.77 30.91,46.77 31.03,46.64 31.03,45.68 30.79,45.44 28.68,45.44 28.61,45.52 28.61,45.74 28.86,46 29.39,46
DCDC1 on TOP: 25.68,44.22 25.68,43.62 25.83,43.48 27.35,43.48 27.47,43.6 27.47,44.26 27.38,44.35 25.89,44.35 25.76,44.22
DCDC1 on TOP: 43.35,32.1 44.16,32.1 44.24,32.01 44.24,30.03 44.15,29.93 43.36,29.93 43.29,30.01 43.29,32.03
DCDC1 on BOTTOM: 35.11,46.86 37.53,44.44 37.53,42.35 34.54,39.36 34.54,36.47 33.92,35.85 33.18,35.85 33.01,35.68 33.01,34.65 33.11,34.56 33.52,34.56 35.32,32.76 37.64,32.76 37.98,33.1 39.88,33.1 40.22,32.76 43,32.76 44.29,31.47 44.29,30.95 44.13,30.78 43.46,30.78 42.81,31.43 34.68,31.43 33.59,32.52 31.41,32.52 30.86,33.07 30.86,35.38 32.01,36.54 32.01,38.6 35.87,42.46 35.87,43.09 33.66,45.3 29.06,45.3 28.12,44.36 28.12,43.69 27.93,43.5 26.78,43.5 26.64,43.64 26.64,44.23 29.27,46.86
DCDC1 on BOTTOM: 38.48,23.58 39.46,23.58 40.92,25.04 40.92,26.51 41.14,26.73 42.28,26.73 42.34,26.67 42.34,24.74 40.22,22.61 38.18,22.61 37.53,23.25 37.26,23.25 34.3,20.29 33.86,20.29 33.74,20.41 33.74,21.01 36.81,24.08 37.99,24.08
DCDC1 on L3: 44.25,31.14 44.25,27.86 43.91,27.51 43.91,26.78 42.55,25.43 41.63,25.43 41.48,25.58 41.48,26.56 41.56,26.64 42.21,26.64 42.85,27.27 42.85,27.62 43.41,28.18 43.41,30.81 43.3,30.91 43.3,31.13 43.43,31.25 44.14,31.25
DCDC1 on L4: 26.77,43.45 27.83,43.45 28.01,43.63 28.01,44.28 29.12,45.39 29.93,45.39 30.4,45.86 30.4,46.47 29.98,46.89 29.97,46.89 29.57,47.28 28.19,47.28 26.26,45.35 26.26,43.96
DCDC2 on TOP: 26.85,87.57 26.3,88.12 26.04,88.12 25.97,88.19 25.97,88.47 26.02,88.52 26.46,88.52 26.95,88.03 27.76,88.03 27.94,88.21 27.94,88.43 27.99,88.48 28.25,88.48 28.56,88.16 28.68,88.16 28.77,88.07 28.77,87.72 28.71,87.65 27.51,87.65 27.33,87.47 27.33,86.61 27.46,86.48 27.71,86.48 27.79,86.41 27.79,86.23 27.89,86.13 28.12,86.13 28.37,85.87 28.37,85.24 28.47,85.14 28.83,85.14 28.91,85.06 28.91,84.71 28.83,84.63 27.08,84.63 26.85,84.86